# Altium PCB HallFM2_0.PcbDoc (part 1 of 2)
Units mm, origin at the board's own origin, x right, y up, seen from the top; angles counter-clockwise.
Board outline 120.05 x 92 mm, 4 copper layers (Top Layer, Signal Layer 1, Signal Layer 2, Bottom Layer), stack 0.971 mm thick; 216 components, 161 nets, 831 pads, 208 vias.
Unrouted connection lines stored in the file: 262.
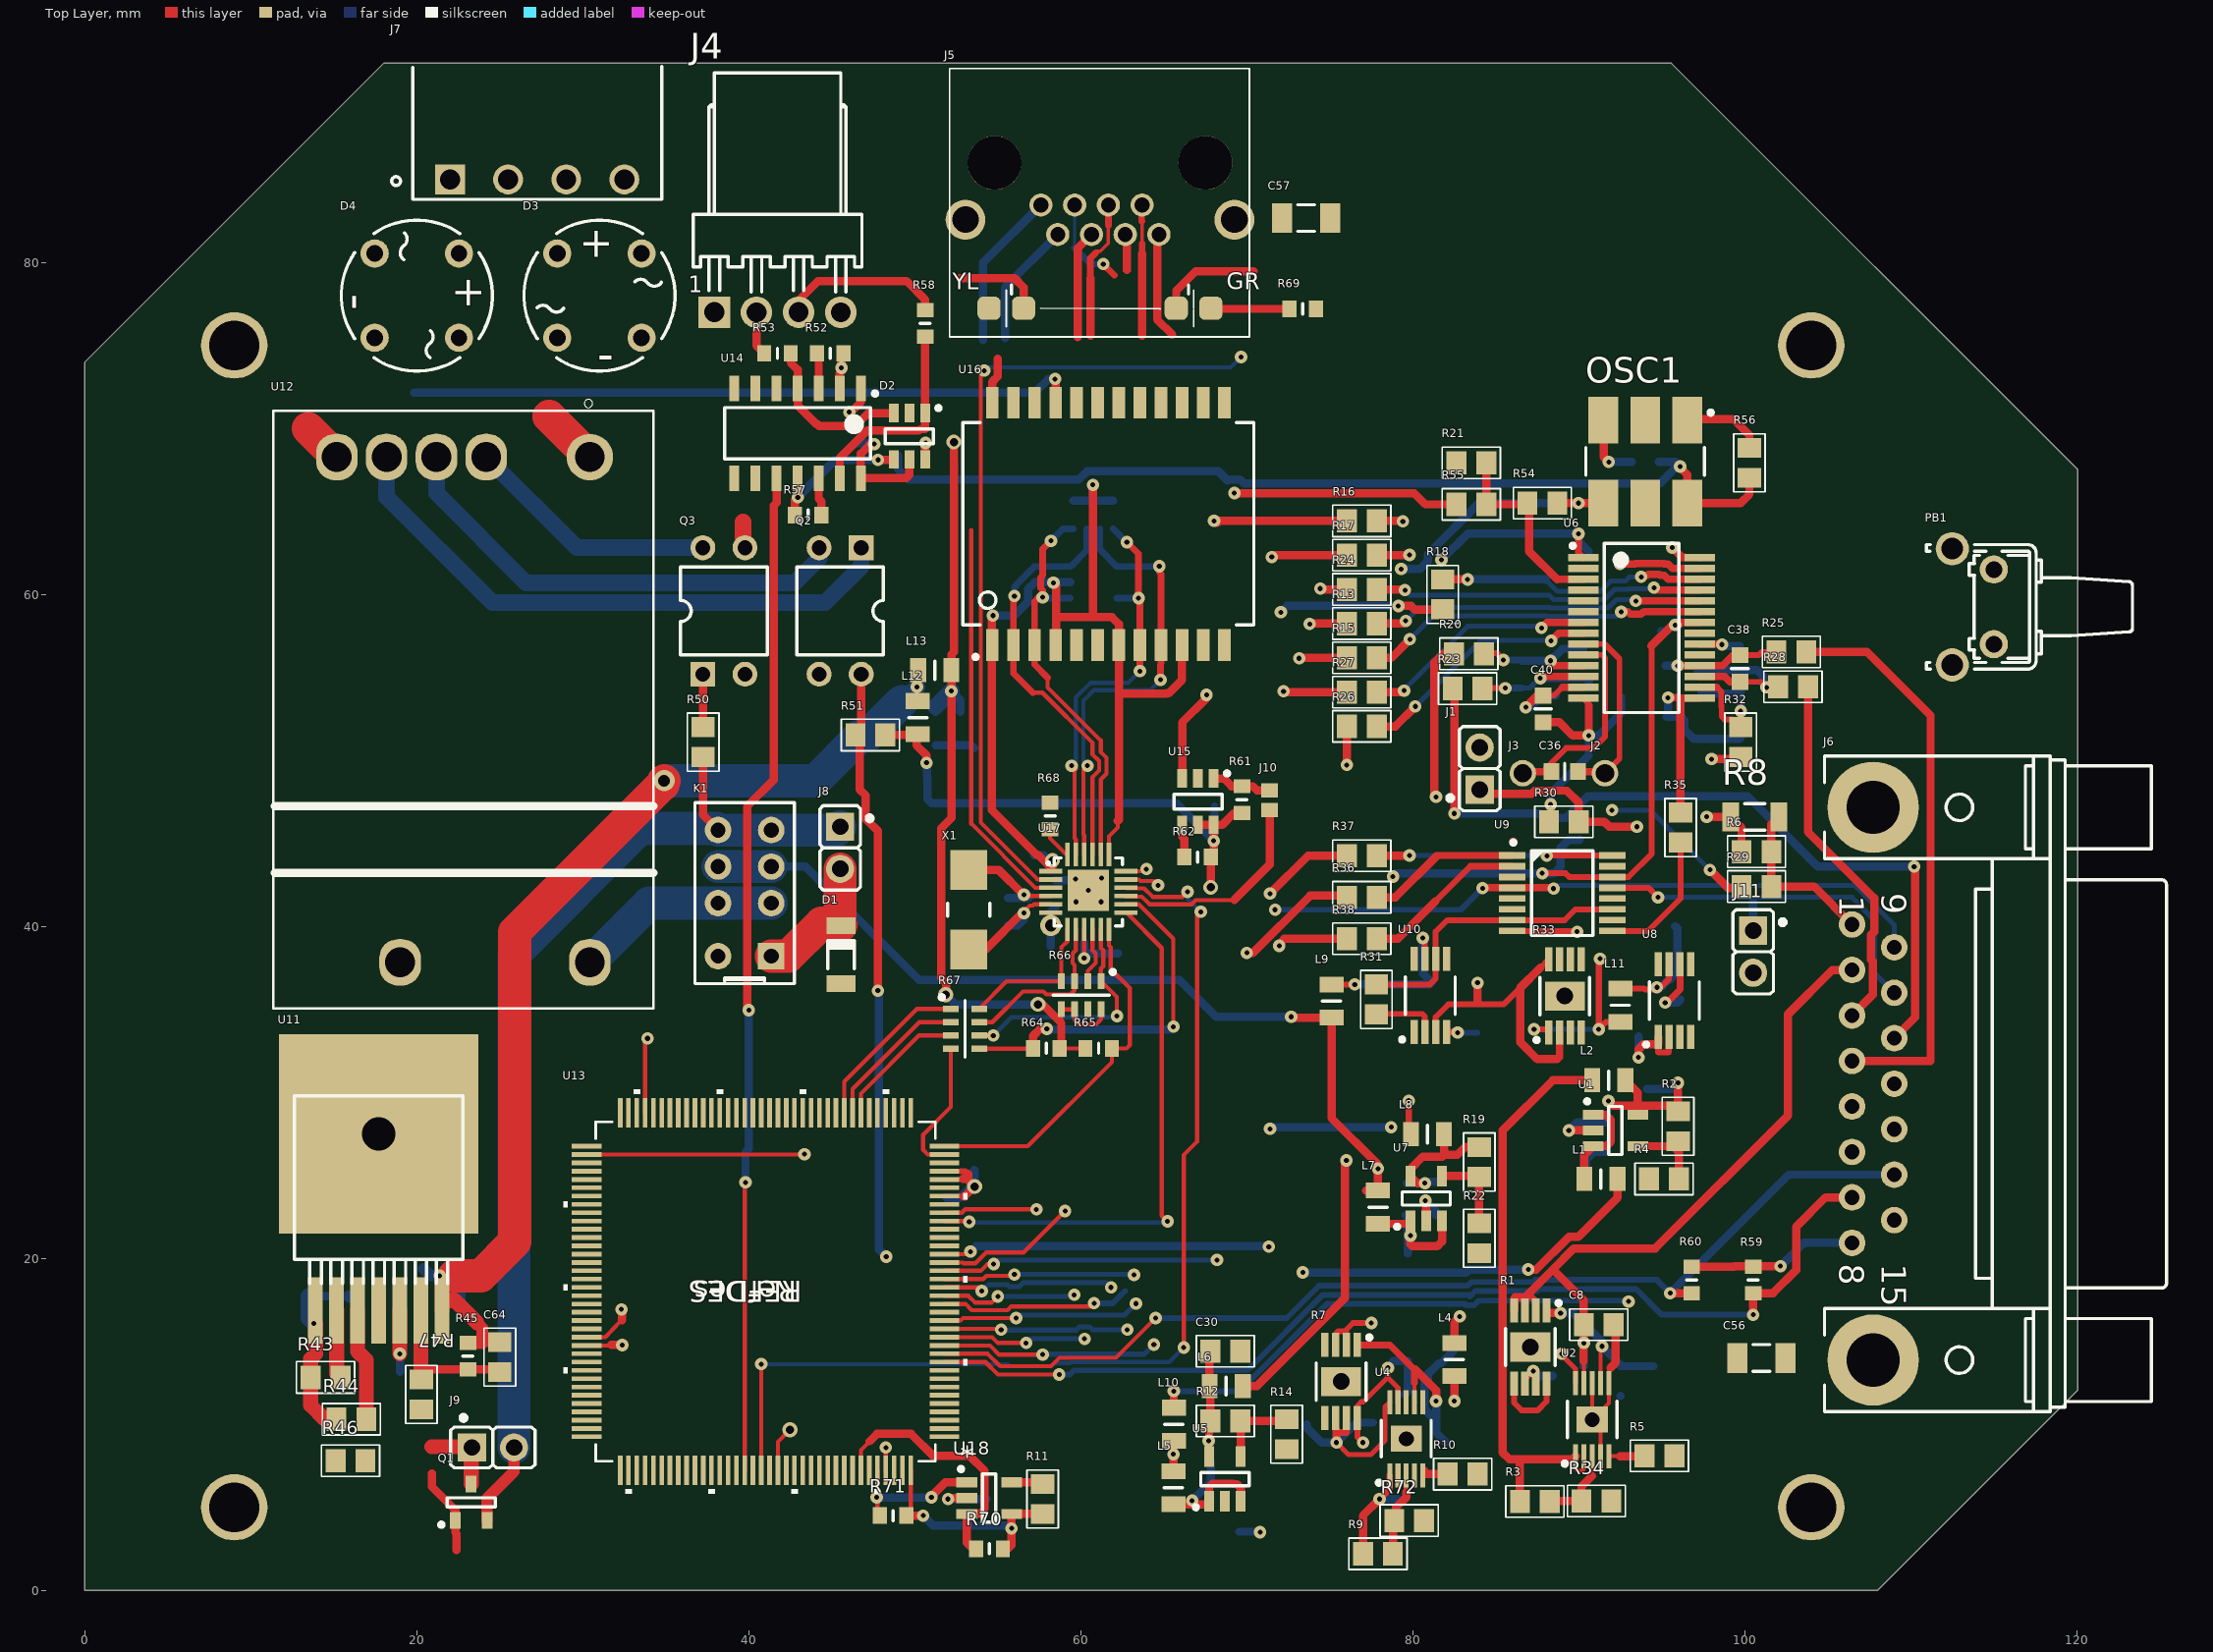
[diagram p0: Top Layer view]
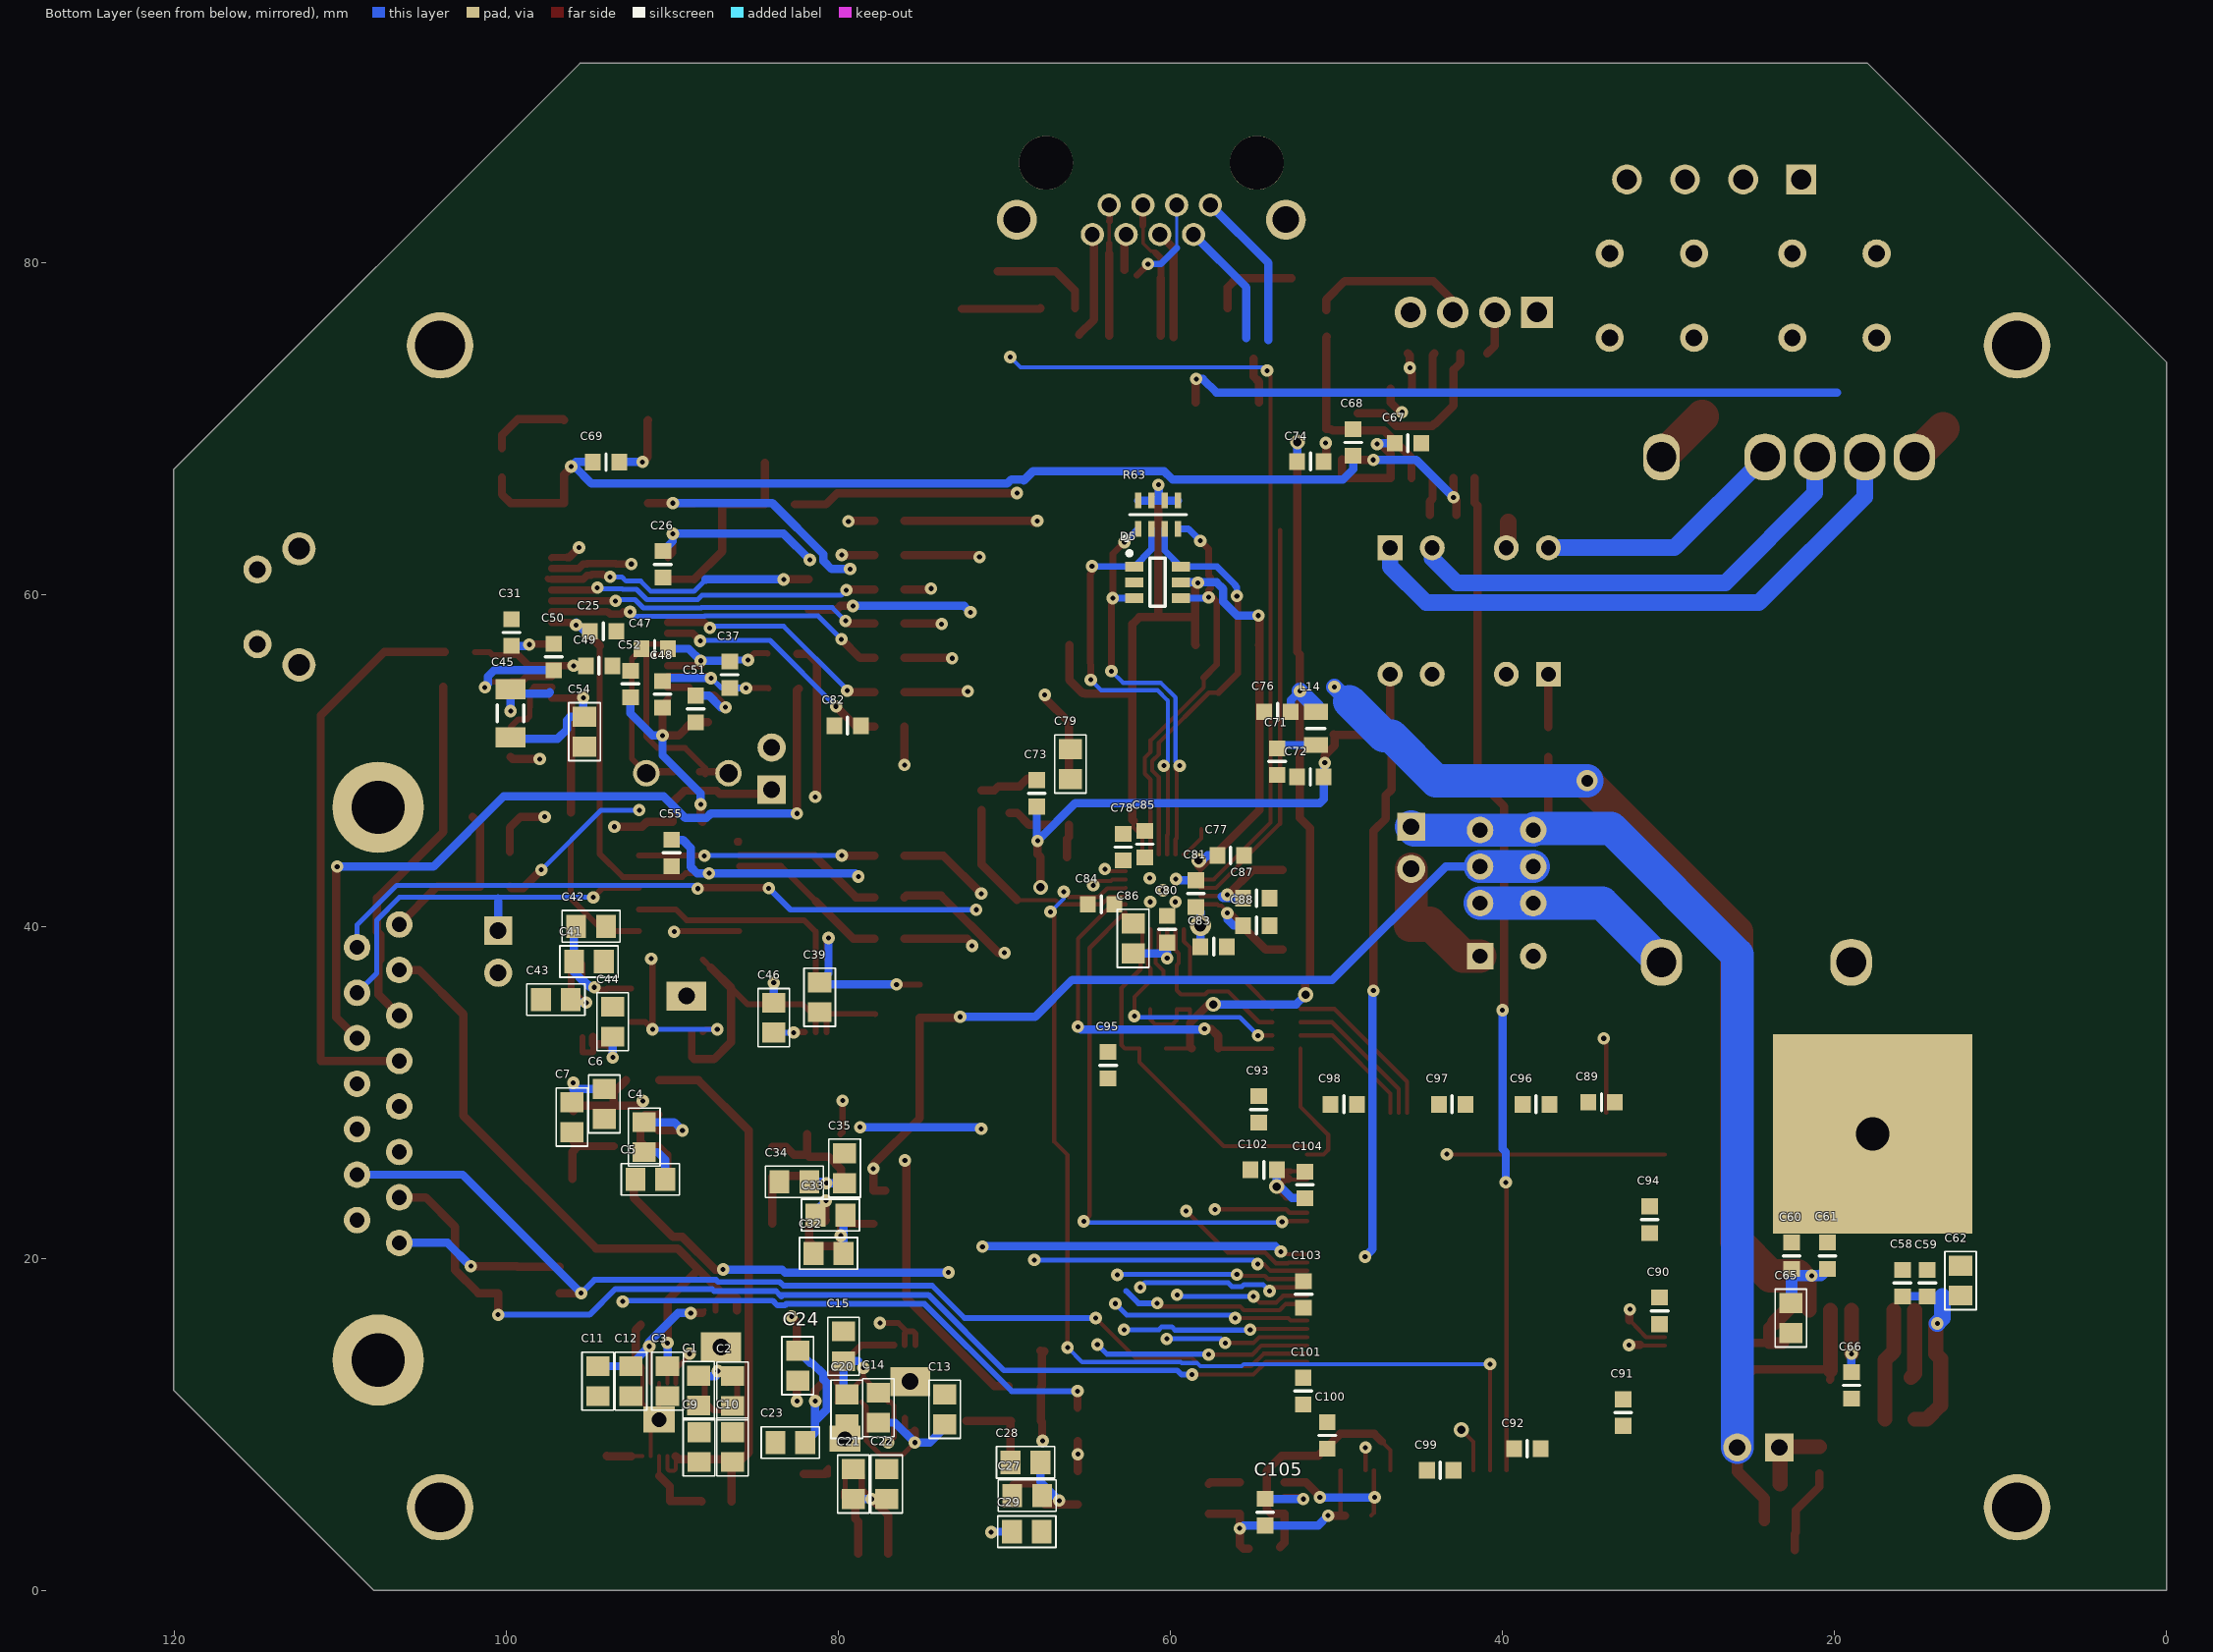
[diagram p1: Bottom Layer view, seen from below]
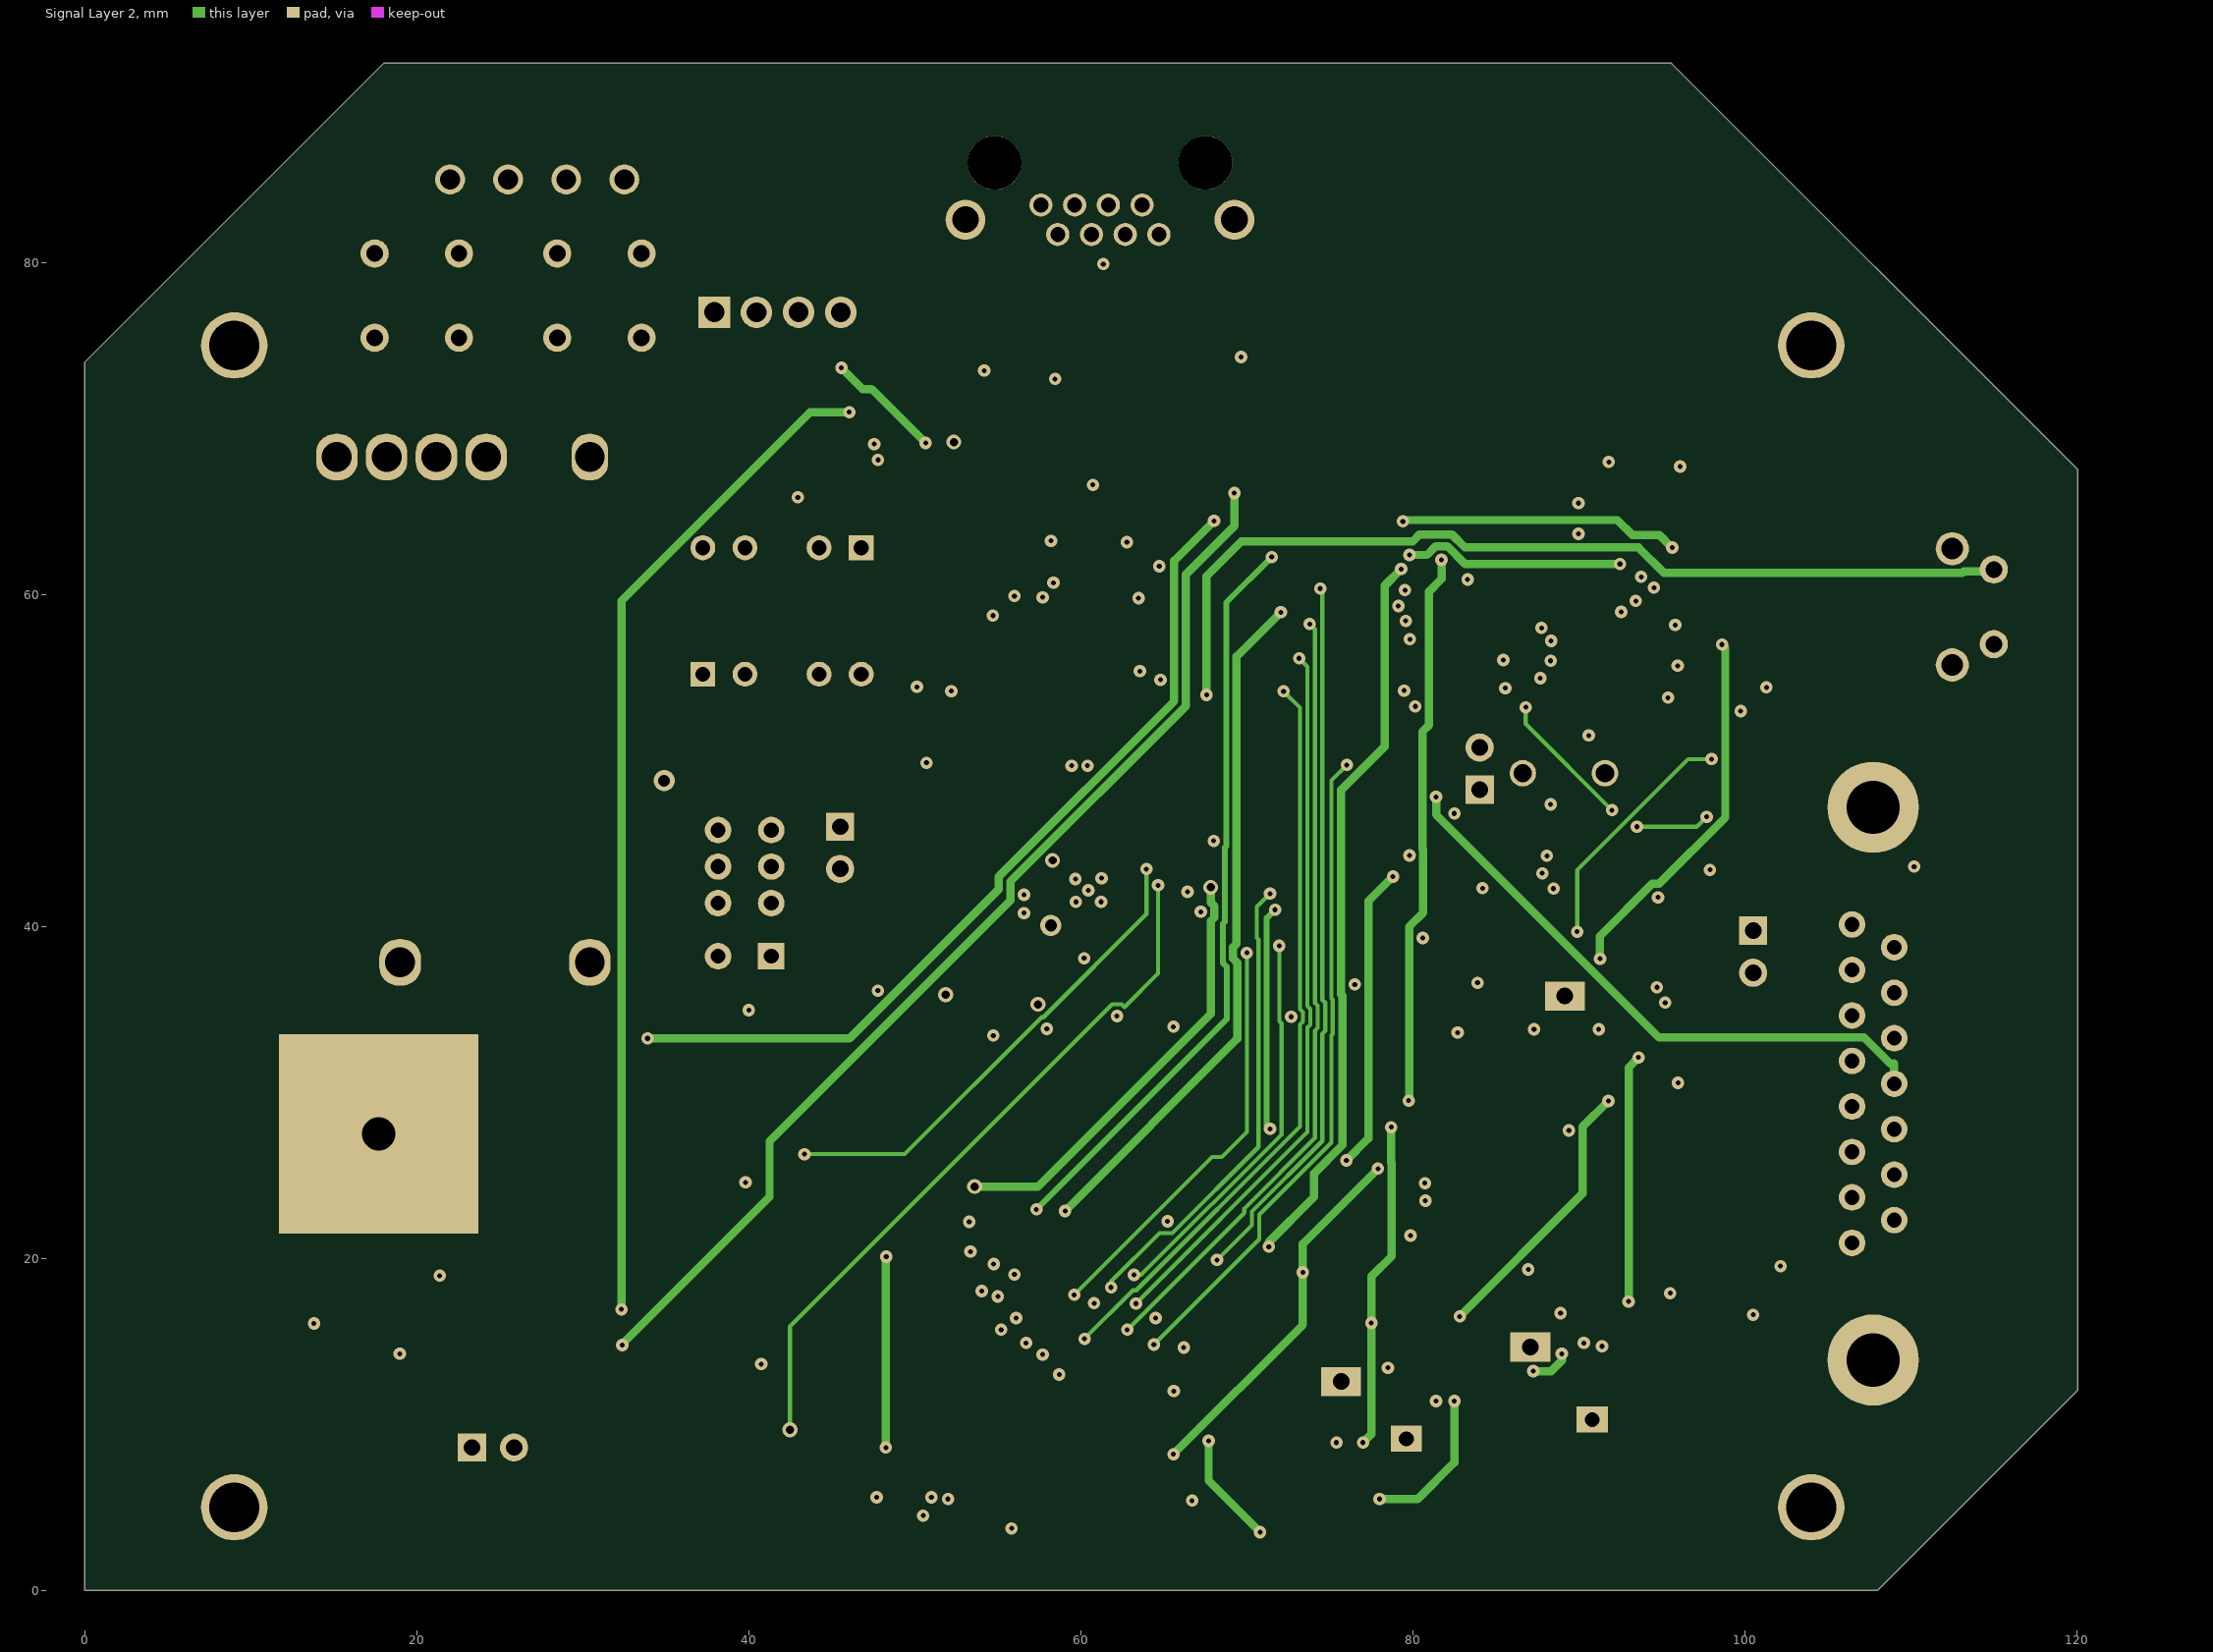
[diagram p2: Signal Layer 2]

## Layer stack, top to bottom
Top Solder: solder mask 0.0102, Solder Resist, Dk 3.5
Top Layer: signal copper 0.0356
Dielectric 3: dielectric 0.254, Dk 4.2
Signal Layer 1: signal copper 0.036
Dielectric 2: dielectric 0.254, Dk 4.2
Signal Layer 2: signal copper 0.036
Dielectric 1: dielectric 0.32, FR-4, Dk 4.8
Bottom Layer: signal copper 0.0356
Bottom Solder: solder mask 0.0102, Solder Resist, Dk 3.5

## Board outline
0,0 0,74 18,92 95.575,92 120.05,67.525 120.05,12.05 118.825,10.825 108,0

## Design rules (kind name [scope] priority, off if disabled: settings)
Clearance [All] p1: gap=0.3 ignorepadtopadclearanceinfootprint=FALSE except(0: Arc-Hole Track-Hole THPad-Hole Via-Hole Fill-Hole Poly-Hole Region-Hole Text-Hole; 0.1: Arc-Text Track-Text SMDPad-Text THPad-Text Via-Text Fill-Text Poly-Text Region-Text Text-Text; 0.2: Arc-Arc Arc-Track Arc-SMDPad Arc-THPad Arc-Via Track-Track Track-SMDPad Track-THPad Track-Via SMDPad-SMDPad SMDPad-THPad SMDPad-Via SMDPad-Hole THPad-THPad THPad-Via Via-Via)
DiffPairsRouting [All] p1: maxlimit=3 minlimit=0.2 mostfreqgap=0.25 toplayer_maxgap=0.87 toplayer_minwidth=0.25 toplayer_maxwidth=0.4 toplayer_prefwidth=0.35 midlayer1_maxgap=0.87 midlayer1_minwidth=0.25 midlayer1_maxwidth=0.4 midlayer1_prefwidth=0.35 midlayer2_maxgap=0.87 midlayer2_minwidth=0.25 midlayer2_maxwidth=0.4 midlayer2_prefwidth=0.35 bottomlayer_minwidth=0.2 bottomlayer_maxwidth=0.4 bottomlayer_prefwidth=0.35 maxuncoupledlength=12.7
MatchedLengths "Schematic Matched Net Lengths_3" [InNet('RD_N')] p1: tolerance=2.54 checknetsindiffpair=TRUE checkdiffpairvsdiffpair=FALSE checkxsignals=FALSE checkothers=FALSE
MatchedLengths "Schematic Matched Net Lengths_2" [InNet('RD_P')] p2: tolerance=2.54 checknetsindiffpair=TRUE checkdiffpairvsdiffpair=FALSE checkxsignals=FALSE checkothers=FALSE
MatchedLengths "Schematic Matched Net Lengths_1" [InNet('TD_N')] p3: tolerance=2.54 checknetsindiffpair=TRUE checkdiffpairvsdiffpair=FALSE checkxsignals=FALSE checkothers=FALSE
MatchedLengths "Schematic Matched Net Lengths" [InNet('TD_P')] p4: tolerance=2.54 checknetsindiffpair=TRUE checkdiffpairvsdiffpair=FALSE checkxsignals=FALSE checkothers=FALSE
PolygonConnect [All] p1: connectstyle=Relief reliefconductorwidth=0.254 reliefentries=4 polygonreliefangle="90 Angle" airgapwidth=0.254
RoutingVias [All] p1: holewidth=0.4 width=0.85 viastyle="Through Hole" minholewidth=0.3 minwidth=0.75 maxholewidth=1 maxwidth=1.5
SolderMaskExpansion [All] p1: expansion=0.102
Width [All] p1: maxlimit=2 minlimit=0.2 preferedwidth=0.35 toplayer_prefwidth=0.25 midlayer1_minwidth=0.25 midlayer2_minwidth=0.25 bottomlayer_minwidth=0.25 minimp=50.000000 maximp=50.000000 favimp=50.000000
29 further rules are at their usual default settings.

## Classes and differential pairs
component class uC: C67 C68 C69 C71 C72 C73 C74 C76 C77 C78 C79 C80 C81 C82 C83 C84 C85 C86 C87 C88 C89 C90 C91 C92 C93 C94 C95 C96 C97 C98 C99 C100 C101 C102 C103 C104 C105 D2 D3 D4 D5 J10 L12 L13 L14 OSC1 PB1 R11 R51 R52 R53 R54 R55 R56 R57 R58 R59 R60 R61 R62 R63 R64 R65 R66 R67 R68 R69 R70 R71 U13 U14 U15 U16 U17 U18 X1
component class Power: C58 C59 C60 C61 C62 C64 C65 C66 D1 J8 J9 K1 Q1 Q2 Q3 R43 R44 R45 R46 R47 R50 U11 U12
component class main: C56 C57 J4 J6 J7
component class "Current Srcs": C1 C2 C3 C4 C5 C6 C7 C8 C9 C10 C11 C12 C13 C14 C15 C20 C21 C22 C23 C24 J1 J11 L1 L2 L4 R1 R2 R3 R4 R5 R6 R7 R8 R9 R10 R34 R72 U1 U2 U4
component class ADC: C25 C26 C27 C28 C29 C30 C31 C32 C33 C34 C35 C36 C37 C38 C39 C40 C41 C42 C43 C44 C45 C46 C47 C48 C49 C50 C51 C52 C54 C55 J2 J3 L5 L6 L7 L8 L9 L10 L11 R12 R13 R14 R15 R16 R17 R18 R19 R20 R21 R22 R23 R24 R25 R26 R27 R28 R29 R30 R31 R32 R33 R35 R36 R37 R38 U5 U6 U7 U8 U9 U10
differential pair MX3: +MX3_P -MX3_N
differential pair MX1: +MX1_P -MX1_N
differential pair TD: +TD_P -TD_N
differential pair RD: +RD_P -RD_N

## Components (designator, comment, footprint, x,y, rotation, side; value= is the part's Value field where it differs from the comment)
C1 "10uF" SMD0805CAP 88.432,13.032 r270 bottom
C2 "33nF" SMD0805CAP 86.382,13.007 r270 bottom
C3 "33nF" SMD0805CAP 90.298,11.598 r90 bottom
C4 "33nF" SMD0805CAP 91.702,28.302 r270 bottom
C5 "10uF" SMD0805CAP 92.332,24.753 r180 bottom
C6 "33nF" SMD0805CAP 94.098,28.298 r90 bottom
C7 "10uF" SMD0805CAP 96.055,27.505 r90 bottom
C8 "10uF" SMD0805CAP 92.202,16.002 r180 top
C9 "33nF" SMD0805CAP 88.407,9.632 r270 bottom
C10 "10uF" SMD0805CAP 86.382,9.632 r270 bottom
C11 "10uF" SMD0805CAP 94.498,11.598 r90 bottom
C12 "33nF" SMD0805CAP 92.498,11.598 r90 bottom
C13 "10uF" SMD0805CAP 73.598,9.898 r90 bottom
C14 "33nF" SMD0805CAP 77.598,9.998 r90 bottom
C15 "33nF" SMD0805CAP 79.702,15.702 r270 bottom
C20 "10uF" SMD0805CAP 79.498,9.898 r90 bottom
C21 "33nF" SMD0805CAP 79.102,7.402 r270 bottom
C22 "10uF" SMD0805CAP 77.102,7.402 r270 bottom
C23 "10uF" SMD0805CAP 83.902,8.898 r180 bottom
C24 "33nF" SMD0805CAP 82.453,12.528 r90 bottom
C25 "33nF" CAPC1608X87N 94.175,57.775 r180 bottom
C26 "33nF" CAPC1608X87N 90.58,61.805 r270 bottom
C27 "33nF" SMD0805CAP 69.632,5.703 r180 bottom
C28 "10uF" SMD0805CAP 69.732,7.703 r180 bottom
C29 "33nF" SMD0805CAP 67.653,3.532 r0 bottom
C30 "10uF" SMD0805CAP 69.707,14.402 r180 top
C31 "33nF" CAPC1608X87N 99.7,57.7 r270 bottom
C32 "33nF" SMD0805CAP 81.602,20.298 r180 bottom
C33 "10uF" SMD0805CAP 81.482,22.603 r180 bottom
C34 "33nF" SMD0805CAP 83.657,24.603 r180 bottom
C35 "10uF" SMD0805CAP 79.632,26.432 r270 bottom
C36 "33nF" CAPC1608X87N 89.15,49.325 r0 top
C37 "33nF" CAPC1608X87N 86.555,55.155 r90 bottom
C38 "33nF" CAPC1608X87N 99.705,55.53 r90 top
C39 "33nF" SMD0805CAP 81.128,34.728 r90 bottom
C40 "33nF" CAPC1608X87N 87.85,53.1 r90 top
C41 "33nF" SMD0805CAP 94.028,37.882 r0 bottom
C42 "10uF" SMD0805CAP 93.903,40.007 r0 bottom
C43 "10uF" SMD0805CAP 98.03,35.58 r180 bottom
C44 "33nF" SMD0805CAP 93.607,35.257 r270 bottom
C45 "33n" CAPC1206 99.755,52.83 r90 bottom
C46 "33nF" SMD0805CAP 83.898,33.498 r90 bottom
C47 "3.3nF" CAPC1608X87N 91.075,56.725 r180 bottom
C48 "3.3nF" CAPC1608X87N 90.605,53.98 r90 bottom
C49 "3.3nF" CAPC1608X87N 94.425,55.7 r0 bottom
C50 "3.3nF" CAPC1608X87N 97.155,56.23 r270 bottom
C51 "3.3nF" CAPC1608X87N 88.6,53.1 r90 bottom
C52 "3.3nF" CAPC1608X87N 92.53,54.605 r270 bottom
C54 "3.3nF" SMD0805CAP 95.298,50.723 r90 bottom
C55 "33nF" CAPC1608X87N 90.05,44.425 r90 bottom
C56 "1nF" CAPC1206 101,14 r0 top
C57 "1nF" CAPC1206 73.575,82.675 r180 top
C58 "33nF" CAPC1608X87N 15.905,18.505 r270 bottom
C59 "33nF" CAPC1608X87N 14.405,18.505 r270 bottom
C60 "33nF" CAPC1608X87N 22.575,20.15 r270 bottom
C61 "33nF" CAPC1608X87N 20.425,20.15 r270 bottom
C62 "1uF" SMD0805CAP 12.407,19.657 r270 bottom
C64 "33nF" SMD0805CAP 25.002,13.048 r90 top
C65 "1uF" SMD0805CAP 22.623,15.398 r90 bottom
C66 "33nF" CAPC1608X87N 18.975,12.35 r90 bottom
C67 "33nF" CAPC1608X87N 45.695,69.105 r0 bottom
C68 "33nF" CAPC1608X87N 48.995,69.155 r270 bottom
C69 "33nF" CAPC1608X87N 94,67.975 r0 bottom
C71 "33nF" CAPC1608X87N 53.575,49.925 r270 bottom
C72 "33nF" CAPC1608X87N 51.575,49 r180 bottom
C73 "33nF" CAPC1608X87N 68.055,48.013 r270 bottom
C74 "33nF" CAPC1608X87N 51.57,68.005 r0 bottom
C76 "33nF" CAPC1608X87N 53.55,52.925 r180 bottom
C77 "33nF" CAPC1608X87N 56.375,44.275 r0 bottom
C78 "33nF" CAPC1608X87N 62.85,44.775 r90 bottom
C79 "10uF" SMD0805CAP 66.023,48.773 r90 bottom
C80 "33nF" CAPC1608X87N 60.2,39.82 r270 bottom
C81 "470pF" CAPC1608X87N 58.475,41.975 r270 bottom
C82 "33nF" CAPC1608X87N 79.455,52.09 r180 bottom
C83 "100nF" CAPC1608X87N 57.4,38.775 r0 bottom
C84 "33nF" CAPC1608X87N 64.175,41.325 r0 bottom
C85 "33nF" CAPC1608X87N 61.55,44.95 r90 bottom
C86 "10uF" SMD0805CAP 62.252,40.277 r270 bottom
C87 "30pF" CAPC1608X87N 54.825,41.7 r180 bottom
C88 "30pF" CAPC1608X87N 54.825,40.05 r180 bottom
C89 "33nF" CAPC1608X87N 34.03,29.405 r180 bottom
C90 "33nF" CAPC1608X87N 30.53,16.83 r270 bottom
C91 "33nF" CAPC1608X87N 32.73,10.705 r90 bottom
C92 "33nF" CAPC1608X87N 38.505,8.53 r0 bottom
C93 "33nF" CAPC1608X87N 54.68,28.965 r90 bottom
C94 "33nF" CAPC1608X87N 31.13,22.33 r270 bottom
C95 "33nF" CAPC1608X87N 63.755,31.63 r90 bottom
C96 "33nF" CAPC1608X87N 37.98,29.28 r180 bottom
C97 "33nF" CAPC1608X87N 43.03,29.28 r180 bottom
C98 "33nF" CAPC1608X87N 49.555,29.28 r180 bottom
C99 "33nF" CAPC1608X87N 43.75,7.23 r0 bottom
C100 "33nF" CAPC1608X87N 50.555,9.33 r270 bottom
C101 "33nF" CAPC1608X87N 52.005,12.005 r90 bottom
C102 "33nF" CAPC1608X87N 54.375,25.325 r180 bottom
C103 "33nF" CAPC1608X87N 51.98,17.83 r90 bottom
C104 "33nF" CAPC1608X87N 51.9,24.425 r270 bottom
C105 "33nF" CAPC1608X87N 54.3,4.7 r90 bottom
D1 "DL4448" DIOMELF3515N 45.55,38.3 r270 top
D2 "IP4220CZ6" SOT95P270X145-6N 49.675,69.525 r270 top
D3 "W02G" RECTRON_RB15 31,78 r0 top
D4 "W02G" RECTRON_RB15 20,78 r270 top
D5 "IP4220CZ6" SOT95P270X145-6N 60.775,60.725 r180 bottom
J1 "PLS2" PLS2 84.025,48.235 r90 top
J2 "PLS1PGA_outP" PLS1 91.575,49.225 r0 top value=PGA_outP
J3 "PLS1PGA_out N" PLS1 86.625,49.225 r0 top value="PGA_out N"
J4 "WF-4RUART" MOLEX_WF4-angle 37.92,77 r0 top value=UART
J5 "Molex_438600010" Molex-43860-0010 57.594,83.46 r270 top
J6 "DBR-15F" AMPHENOL_L717DFA15S1ATN 107.73,30.52 r270 top
J7 "15EDGRC-3.5-04P-14" TE_284512-4 27.25,85 r0 top
J8 "PLS2MW_EN" PLS2 45.5,46 r270 top value=MW_EN
J9 "PLS2" PLS2 23.315,8.605 r0 top
J10 "JmpPCB" PCBJumper 71.375,47.6 r90 top
J11 "PLS2" PLS2 100.5,39.74 r270 top
K1 "G6J-2P-Y12VDC" REL_OMRON_G6J-2P-Y 39.75,42 r90 top value=12VDC
L1 "BLM211k" RESC2012X50N 91.33,24.78 r180 top value=1k
L2 "BLM211k" RESC2012X50N 91.805,30.73 r180 top value=1k
L4 "BLM211k" RESC2012X50N 82.5,13.9 r270 top value=1k
L5 "BLM211k" RESC2012X50N 65.58,6.18 r270 top value=1k
L6 "BLM211k" RESC2012X50N 68.755,12.302 r0 top value=1k
L7 "BLM211k" RESC2012X50N 77.905,23.08 r270 top value=1k
L8 "BLM211k" RESC2012X50N 80.88,27.48 r180 top value=1k
L9 "BLM211k" RESC2012X50N 75.1,35.5 r270 top value=1k
L10 "BLM211k" RESC2012X50N 65.6,10 r90 top value=1k
L11 "BLM211k" RESC2012X50N 92.5,35.25 r270 top value=1k
L12 "BLM211k" RESC2012X50N 50.175,52.575 r270 top value=1k
L13 "BLM211k" RESC2012X50N 51.2,55.425 r0 top value=1k
L14 "BLM211k" RESC2012X50N 51.25,51.925 r90 bottom value=1k
OSC1 "XLH7304.9152MHz" OSC_PERICOM_FRETHE025 94,68 r270 top value=4.9152MHz
PB1 "#NAME?" PB_ALPS_SKHHLQA010 113.75,59.25 r180 top value="Man. Reset"
Q1 "AO3407A" SOT95P229X119-3N 23.275,5.3 r90 top
Q2 "817B" DIP4-300 45.5,59 r270 top
Q3 "817B" DIP4-300 38.5,59 r90 top
R1 "LT5400-6" SOP65P488X110-9N-R178X241 87.08,14.655 r270 top value=-6
R2 "1k" SMD0805RES 95.982,26.953 r90 top
R3 "1k5" SMD0805RES 86.353,5.353 r0 top
R4 "5k1" SMD0805RES 94.128,24.778 r0 top
R5 "20k" SMD0805RES 95.857,8.107 r180 top
R6 "Y1172_200R0000F" SMD0805RES 99.698,44.498 r0 top value=200R0000F
R7 "LT5400-6" SOP65P488X110-9N-R178X241 75.68,12.58 r270 top value=-6
R8 "Y1496_200R0000F" RESC3016X65N 100.6,46.6 r0 top value=200R0000F
R9 "1k5" SMD0805RES 76.898,2.198 r0 top
R10 "20k" SMD0805RES 84,7 r180 top
R11 "1k" SMD0805RES 57.698,6.502 r270 top
R12 "0" SMD0805RES 69.707,10.207 r180 top
R13 "1k" SMD0805RES 77.927,58.239 r180 top
R14 "5k1" SMD0805RES 72.402,8.398 r90 top
R15 "1k" SMD0805RES 77.927,56.177 r180 top
R16 "1k" SMD0805RES 77.927,64.426 r180 top
R17 "1k" SMD0805RES 77.927,62.364 r180 top
R18 "1k" SMD0805RES 81.798,61.002 r270 top
R19 "0" SMD0805RES 84.002,24.798 r90 top
R20 "1k" SMD0805RES 82.373,56.423 r0 top
R21 "100" SMD0805RES 84.527,67.927 r180 top
R22 "5k1" SMD0805RES 84.002,20.203 r90 top
R23 "1k" SMD0805RES 82.298,54.323 r0 top
R24 "1k" SMD0805RES 77.927,60.302 r180 top
R25 "1k" SMD0805RES 103.807,56.532 r180 top
R26 "1k" SMD0805RES 77.927,52.052 r180 top
R27 "1k" SMD0805RES 77.927,54.114 r180 top
R28 "1k" SMD0805RES 103.907,54.432 r180 top
R29 "1k" SMD0805RES 101.702,42.402 r180 top
R30 "1k" SMD0805RES 90.102,46.302 r180 top
R31 "1k" SMD0805RES 77.802,34.598 r90 top
R32 "1k" SMD0805RES 99.752,50.098 r90 top
R33 "LT5400-7" SOP65P488X110-9N-R178X241 89.155,35.805 r90 top value=-7